# Altium PCB AX7021B.PcbDoc (part 2 of 6)
Units mil, origin at the board's own origin, x right, y up, seen from the top; angles counter-clockwise.
Board outline 5906.91 x 4331.71 mil, 4 copper layers (TOP, SGND, SVCC, BOTTOM), stack 63 mil thick; 463 components, 582 nets, 2114 pads, 861 vias.
Unrouted connection lines stored in the file: 129.
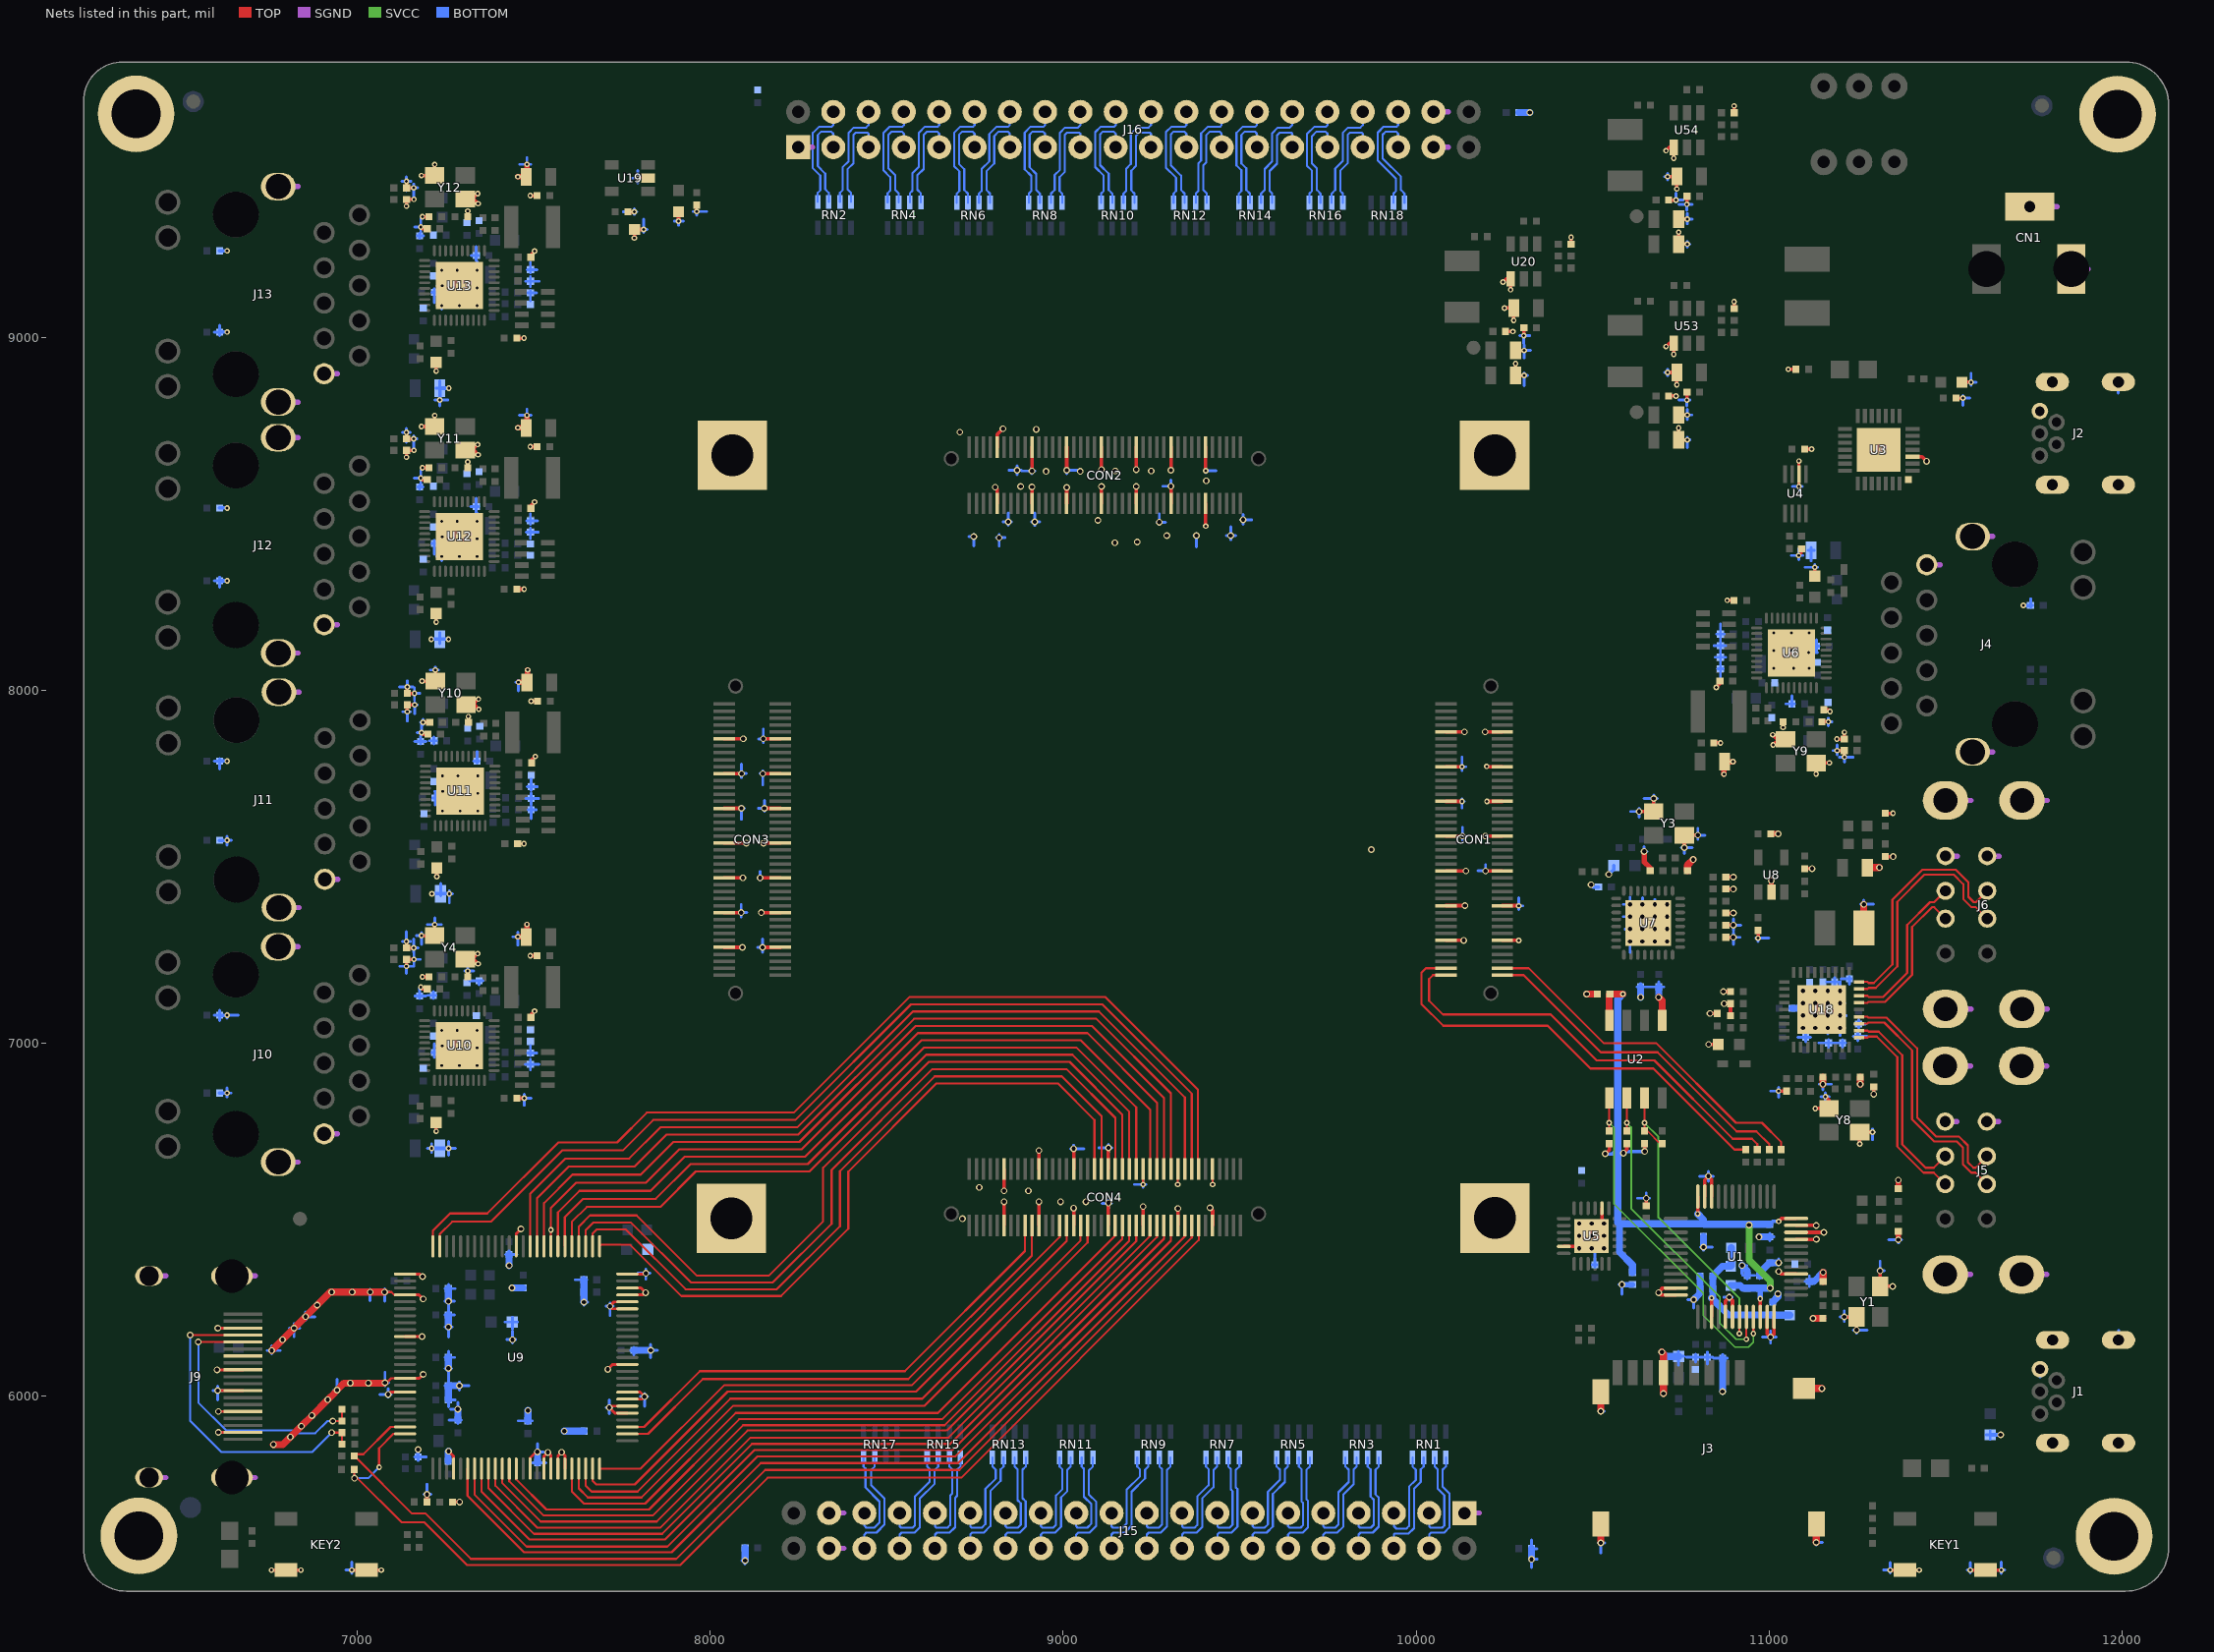
[diagram p4: the nets of this part, all layers, seen from the top]

## Via types
v1: diameter 16, hole 8, TOP to BOTTOM, 459 vias
v2: diameter 19, hole 12, TOP to BOTTOM, 320 vias
v3: diameter 19.69, hole 11.81, TOP to BOTTOM, 82 vias

## Nets (pads, with @x,y where several pads share a name; then routed paths per layer and width w, separated by ;. In a path a pad name is that pad's centre, name@x,y a point inside that pad or via, vN(x,y) a via of type N, cw(c..) or ccw(c..) an arc to the next point about the centre after c; other vN are vias at no path point) (continued)
9134_D9: CON4.64 U9.78 | length 1405.4
  TOP w6: U9.78@7765.76,5913.61 7813.18,5913.61 7970.98,6071.41 8551.79,6071.41 8892.02,6411.64 CON4.64@8892.02,6484.5
9134_D10: CON4.62 U9.77 | length 1440.5
  TOP w6: U9.77@7765.76,5893.92 7824.16,5893.92 7979.3,6049.06 8561.44,6049.06 8911.71,6399.33 CON4.62@8911.71,6484.5
9134_D11: CON4.54 U9.75 | length 1608.4
  TOP w6: U9.75@7687.02,5795.5 7803.69,5795.5 8039.6,6031.41 8570.79,6031.41 8990.45,6451.07 CON4.54@8990.45,6484.5
9134_D12: CON4.52 U9.74 | length 1711.3
  TOP w6: U9.74@7667.34,5795.5 7667.34,5760.68 7677.31,5750.71 7786.74,5750.71 8050.02,6013.99 8583.37,6013.99 9010.13,6440.75 CON4.52@9010.13,6484.5
9134_D13: CON4.48 U9.73 | length 1793.8
  TOP w6: U9.73@7647.65,5795.5 7647.65,5747.55 7664.49,5730.71 7794.59,5730.71 8057.44,5993.56 8600.94,5993.56 9049.5,6442.12 CON4.48@9049.5,6484.5
9134_D14: CON4.46 U9.72 | length 1855.8
  TOP w6: U9.72@7627.97,5795.5 7627.97,5739.39 7653.65,5713.71 7805.43,5713.71 8064.86,5973.14 8606.52,5973.14 9069.19,6435.81 CON4.46@9069.19,6484.5
9134_D15: CON4.38 U9.71 | length 1961.6
  TOP w6: U9.71@7608.28,5795.5 7608.28,5731.23 7642.99,5696.52 7816.09,5696.52 8072.79,5953.22 8645.6,5953.22 9147.93,6455.55 CON4.38@9147.93,6484.5
9134_D16: CON4.36 U9.63 | length 2138.7
  TOP w6: U9.63@7450.8,5795.5 7450.8,5765.09 7536.12,5679.77 7826.96,5679.77 8082.6,5935.41 8657.52,5935.41 9167.61,6445.5 CON4.36@9167.61,6484.5
9134_D17: CON4.34 U9.62 | length 2197.9
  TOP w6: U9.62@7431.12,5795.5 7431.12,5759.77 7528.12,5662.77 7837.8,5662.77 8093.44,5918.41 8664.57,5918.41 9187.3,6441.14 CON4.34@9187.3,6484.5
9134_D18: CON4.32 U9.61 | length 2255.3
  TOP w6: U9.61@7411.43,5795.5 7411.43,5754.46 7520.12,5645.77 7848.65,5645.77 8106.29,5903.41 8670.79,5903.41 9206.98,6439.6 CON4.32@9206.98,6484.5
9134_D19: CON4.28 U9.60 | length 2325.2
  TOP w6: U9.60@7391.75,5795.5 7391.75,5747.14 7511.12,5627.77 7858.49,5627.77 8114.13,5883.41 8675.79,5883.41 9246.35,6453.97 CON4.28@9246.35,6484.5
9134_D20: CON4.26 U9.59 | length 2384.6
  TOP w6: U9.59@7372.06,5795.5 7372.06,5739.83 7501.12,5610.77 7863.96,5610.77 8118.6,5865.41 8680.4,5865.41 9266.04,6451.05 CON4.26@9266.04,6484.5
9134_D21: CON4.24 U9.58 | length 2445.2
  TOP w6: U9.58@7352.38,5795.5 7352.38,5730.51 7488.12,5594.77 7872.57,5594.77 8126.21,5848.41 8687.45,5848.41 9285.72,6446.68 CON4.24@9285.72,6484.5
9134_D22: CON4.22 U9.57 | length 2509.4
  TOP w6: U9.57@7332.69,5795.5 7332.69,5722.2 7480.12,5574.77 7878.96,5574.77 8134.6,5830.41 8694.91,5830.41 9305.41,6440.91 CON4.22@9305.41,6484.5
9134_D23: CON4.18 U9.56 | length 2576.4
  TOP w6: U9.56@7313.01,5795.5 7313.01,5718.88 7473.12,5558.77 7890.96,5558.77 8143.6,5811.41 8702.79,5811.41 9344.78,6453.4 CON4.18@9344.78,6484.5
9134_DE: CON4.43 U9.1 | length 1990
  TOP w6: U9.1@7687.02,6425.42 7691.24,6429.64 7773.5,6429.64 7918.74,6284.4 8200.68,6284.4 8391.32,6475.04 8391.32,6636.94 8640.81,6886.43 8985.59,6886.43 9088.87,6783.15 CON4.43@9088.87,6643.94
9134_HS: CON4.41 U9.2 | length 2091.1
  TOP w6: U9.2@7667.34,6425.42 7667.34,6461.96 7678.57,6473.19 7760.87,6473.19 7930.53,6303.53 8189.09,6303.53 8367.65,6482.09 8367.65,6638.27 8636.19,6906.81 8996.21,6906.81 9108.56,6794.46 CON4.41@9108.56,6643.94
9134_INT: CON4.15 U9.24 | length 2752.5
  TOP w6: U9.24@7234.27,6425.42 7234.27,6459.61 7269.64,6494.98 7378.92,6494.98 7580.67,6696.73 7752.25,6696.73 7838.65,6783.13 8241.51,6783.13 8568.99,7110.61 9111.41,7110.61 9364.46,6857.56 CON4.15@9364.46,6643.94
9134_MCLK: CON4.33 U9.5 | length 2073.7
  TOP w6: U9.5@7608.28,6425.42 7608.28,6494.42 7650.71,6536.85 7858.93,6536.85 7959.4,6637.32 8281.7,6637.32 8612.33,6967.95 9026.07,6967.95 9187.3,6806.72 CON4.33@9187.3,6643.94
9134_NRESET: CON4.13 U9.25 | length 2819.9
  TOP w6: U9.25@7214.58,6425.42 7214.58,6469.4 7263.35,6518.17 7368.54,6518.17 7569.94,6719.57 7736.68,6719.57 7821.07,6803.96 8237.34,6803.96 8564.37,7130.99 9120.03,7130.99 9381.7,6869.32 9381.7,6646.39 CON4.13@9384.15,6643.94
9134_SCK: CON4.17 U9.11 | length 2520.7
  TOP w6: U9.11@7490.17,6425.42 7490.17,6573.61 7590.45,6673.89 7770.72,6673.89 7859.13,6762.3 8246.68,6762.3 8574.61,7090.23 9101.79,7090.23 9344.78,6847.24 CON4.17@9344.78,6643.94
9134_SCL: CON4.16 R48.1 U9.48 | length 3081.9
  TOP w6: U9.48@7135.84,5913.61 7095.01,5913.61 7017.82,5836.42 6997.53,5836.42 R48.1@6992.36,5831.25 7155.45,5668.16 7194.26,5668.16 7322.65,5539.77 7904.15,5539.77 8156.26,5791.88 8706.26,5791.88 9364.46,6450.08 CON4.16@9364.46,6484.5
9134_SD0: CON4.23 U9.9 | length 2372.3
  TOP w6: U9.9@7529.54,6425.42 7529.54,6547.82 7609.93,6628.21 7803.44,6628.21 7895.87,6720.64 8253.02,6720.64 8581.85,7049.47 9081.55,7049.47 9285.72,6845.3 CON4.23@9285.72,6643.94
9134_SD1: CON4.25 U9.8 | length 2300.4
  TOP w6: U9.8@7549.23,6425.42 v1(7549.23,6471.66) 7549.23,6534.48 7620.12,6605.37 7817.86,6605.37 7912.3,6699.81 8259.19,6699.81 8588.47,7029.09 9068.93,7029.09 9266.04,6831.98 CON4.25@9266.04,6643.94
9134_SD2: CON4.27 U9.7 | length 2225
  TOP w6: U9.7@7568.91,6425.42 7568.91,6521.13 7630.31,6582.53 7831.19,6582.53 7927.64,6678.98 8269.36,6678.98 8599.09,7008.71 9050.31,7008.71 9246.35,6812.67 CON4.27@9246.35,6643.94
9134_SD3: CON4.31 U9.6 | length 2145
  TOP w6: U9.6@7588.6,6425.42 7588.6,6507.78 7640.51,6559.69 7846.28,6559.69 7944.74,6658.15 8276.53,6658.15 8606.71,6988.33 9037.69,6988.33 9206.98,6819.04 CON4.31@9206.98,6643.94
9134_SDA: CON4.14 R49.1 U9.49 | length 3167.3
  TOP w6: R49.1@6992.18,5793.14 6992.18,5769.08 v2(6992.8,5768.46) 7001.41,5768.46 7126.55,5643.32 7190.1,5643.32 7310.65,5522.77 7916.15,5522.77 8163.26,5769.88 8711.26,5769.88 9384.15,6442.77 CON4.14@9384.15,6484.5 ; v1(7062.5,5799.58) 7062.5,5853.31 7103.11,5893.92 U9.49@7135.84,5893.92
  BOTTOM w6: v2(6992.8,5768.46) 7031.38,5768.46 v1(7062.5,5799.58)
9134_SPDIF: CON4.35 U9.4 | length 2235.3
  TOP w6: U9.4@7627.97,6425.42 7627.97,6481.07 7659.7,6512.8 7792.03,6512.8 7963.04,6341.79 8165.88,6341.79 8320.31,6496.22 8320.31,6647.93 8619.95,6947.57 9018.45,6947.57 9167.61,6798.41 CON4.35@9167.61,6643.94
9134_VS: CON4.37 U9.3 | length 2167.4
  TOP w6: U9.3@7647.65,6425.42 7647.65,6470.71 7669.93,6492.99 7775.35,6492.99 7945.68,6322.66 8177.48,6322.66 8343.98,6489.16 8343.98,6641.6 8629.57,6927.19 9009.83,6927.19 9147.93,6789.09 CON4.37@9147.93,6643.94
9134_WS: CON4.21 U9.10 | length 2444.2
  TOP w6: U9.10@7509.86,6425.42 7509.86,6561.18 7599.73,6651.05 7785.96,6651.05 7876.38,6741.47 8249.85,6741.47 8578.23,7069.85 9094.17,7069.85 9305.41,6858.61 CON4.21@9305.41,6643.94
+3P3OUTV: C8.1 C12.1 C14.1 L1.1 L2.1 L3.1 U1.39 | length 473.1
  TOP w10: U1.39@10837.14,6225.5 v1(10837.14,6278.85)
  BOTTOM w20: L1.1@10892.54,6420.85 10892.54,6369.85 L3.1@10891.04,6368.35 10867.54,6368.35 C8.1@10840.04,6340.85 C12.1@10840.04,6304.85 10840.04,6281.75 v1(10837.14,6278.85) 10885.14,6230.85 C14.1@11010.04,6230.85 11010.54,6230.35 L2.1@11058.04,6230.35
+3P3V: C9.1 C10.1 C11.1 C16.1 C17.1 L3.2 R7.1 R9.2 R10.2 R11.2 U1.12 U1.24 U1.46 U2.8 | length 2127
  TOP w10: v2(10535.76,6687.26) 10547.08,6698.58 R9.2@10547.08,6715.97 ; v2(10587.05,6689.18) 10596.88,6699.01 R10.2@10596.88,6715.97 ; v2(10647.36,6694.01) R11.2@10647.36,6715.97 ; v1(10797.77,6517.12) U1.24@10797.77,6566.2 ; U1.46@10974.94,6225.5 v1(10974.94,6276.75) ; v1(11027.04,6495.85) 11035.31,6504.12 U1.12@11076.39,6504.12
  TOP w20: U2.8@10547.04,7065.85 10547.04,7137.85 C17.1@10549.04,7139.85 v1(10586.04,7139.85)
  SVCC w20: v2(10943.04,6485.85) 10943.04,6386.85 11003.04,6326.85 v2(11003.04,6306.85)
  BOTTOM w10: v2(10535.76,6687.26) 10556.65,6687.26 10566.65,6697.26 10566.65,6699.21 10571.25,6703.81 ; 10571.25,6688.16 10572.27,6689.18 v2(10587.05,6689.18) 10591.88,6694.01 v2(10647.36,6694.01) ; C11.1@11002.04,6487.85 11010.04,6495.85 v1(11027.04,6495.85)
  BOTTOM w15: C16.1@10973.04,6306.85 10974.94,6304.95 v1(10974.94,6276.75)
  BOTTOM w20: v1(10586.04,7139.85) 10571.25,7125.06 10571.25,6703.81 10571.25,6688.16 10571.25,6492.64 10576.04,6487.85 ; R7.1@10613.04,6351.07 10613.04,6372.33 10576.04,6409.33 10576.04,6487.85 ; v1(10797.77,6517.12) 10814.04,6500.85 C9.1@10814.04,6488.85 ; L3.2@10891.04,6314.35 10918.04,6314.35 10925.54,6306.85 C10.1@10938.04,6306.85 C16.1@10973.04,6306.85 v2(11003.04,6306.85) ; C11.1@11002.04,6487.85 10945.04,6487.85 v2(10943.04,6485.85) 10941.04,6487.85 10815.04,6487.85 C9.1@10814.04,6488.85 ; 10576.04,6487.85 10577.04,6488.85 C9.1@10814.04,6488.85
CEC_A: J9.13
DN1: J5.A2 U18.1 | length 566.8
  TOP w6: U18.1@11254.35,7016.61 11278.6,7016.61 11281.44,7019.45 11304.64,7019.45 11363.04,6961.05 11363.04,6708.05 11437.24,6633.85 11466.32,6633.85 J5.A2@11498.69,6601.48
DN2: J5.B2 U18.3 | length 695.3
  TOP w6: U18.3@11254.35,7055.98 11278.6,7055.98 11281.44,7058.82 11326.27,7058.82 11405.04,6980.05 11405.04,6784.85 11468.04,6721.85 11532.24,6721.85 11549.04,6705.05 11549.04,6657.44 11572.63,6633.85 11584.43,6633.85 J5.B2@11616.8,6601.48
DN3: J6.A2 U18.6 | length 450.4
  TOP w6: U18.6@11254.35,7115.04 11278.6,7115.04 11281.44,7117.88 11329.07,7117.88 11405.04,7193.85 11405.04,7329.57 11461.32,7385.85 11467.32,7385.85 J6.A2@11499.69,7353.48
DN4: J6.B2 U18.8 | length 680.5
  TOP w6: U18.8@11254.35,7154.41 11278.6,7154.41 11281.44,7157.25 11302.24,7157.25 11363.04,7218.05 11363.04,7401.05 11439.84,7477.85 11523.24,7477.85 11550.04,7451.05 11550.04,7409.44 11573.63,7385.85 11585.43,7385.85 J6.B2@11617.8,7353.48
DP1: J5.A3 U18.2 | length 566.8
  TOP w6: U18.2@11254.35,7036.29 11278.6,7036.29 11281.44,7033.45 11310.44,7033.45 11377.04,6966.85 11377.04,6713.85 11443.04,6647.85 11466.32,6647.85 J5.A3@11498.69,6680.22
DP2: J5.B3 U18.4 | length 695.3
  TOP w6: U18.4@11254.35,7075.66 11278.6,7075.66 11281.44,7072.82 11332.07,7072.82 11419.04,6985.85 11419.04,6790.65 11473.84,6735.85 11538.04,6735.85 11563.04,6710.85 11563.04,6663.24 11578.43,6647.85 11584.43,6647.85 J5.B3@11616.8,6680.22
DP3: J6.A3 U18.7 | length 450.4
  TOP w6: U18.7@11254.35,7134.72 11278.6,7134.72 11281.44,7131.88 11323.27,7131.88 11391.04,7199.65 11391.04,7335.37 11455.52,7399.85 11467.32,7399.85 J6.A3@11499.69,7432.22
DP4: J6.B3 U18.9 | length 680.5
  TOP w6: U18.9@11254.35,7174.09 11278.6,7174.09 11281.44,7171.25 11296.44,7171.25 11349.04,7223.85 11349.04,7406.85 11434.04,7491.85 11529.04,7491.85 11564.04,7456.85 11564.04,7415.24 11579.43,7399.85 11585.43,7399.85 J6.B3@11617.8,7432.22
DSCL: J9.15 R44.2 R53.1 | length 788.4
  TOP w6: v2(6550.33,6154.14) J9.15@6677.23,6154.14 ; v2(6931.2,5930.51) R53.1@6957.06,5930.51 R44.2@6957.06,5963.47
  BOTTOM w6: v2(6550.33,6154.14) 6550.33,5982.56 6629.04,5903.85 6823.04,5903.85 6831.04,5895.85 6881.6,5895.85 6915.6,5929.85 6930.54,5929.85 v2(6931.2,5930.51)
DSDA: J9.16 R45.2 R54.1 | length 915.5
  TOP w6: v2(6527.04,6173.82) J9.16@6677.23,6173.82 ; v2(6928.02,5897.55) R54.1@6957.06,5897.55 R45.2@6957.06,5864.59
  BOTTOM w6: v2(6527.04,6173.82) 6527.04,5930.98 6615.62,5842.4 6872.87,5842.4 v2(6928.02,5897.55)
EECLK: R10.1 U1.44 U2.2 | length 933.1
  TOP w6: R10.1@10596.88,6751.97 v1@10596.88,6770.51 ; v1(10596.88,6774.97) v1@10596.88,6770.51 ; U2.2@10597.04,6845.85 10597.04,6770.35 v1@10596.88,6770.51 ; v1(10935.57,6161.85) U1.44@10935.57,6225.5
  SVCC w5: v1(10596.88,6774.97) 10609.18,6762.67 10609.18,6532.71 10860.72,6281.17 10860.72,6207.17 10906.04,6161.85 v1(10935.57,6161.85)
EECS: R9.1 U1.45 U2.1 | length 1006.3
  TOP w6: U2.1@10547.04,6845.85 v1(10547.04,6774.97) 10547.04,6752.01 R9.1@10547.08,6751.97 ; v1(10955.25,6177.85) U1.45@10955.25,6225.5
  SVCC w5: v1(10547.04,6774.97) 10560.74,6761.27 10560.74,6545.15 10813.38,6292.51 10813.38,6229.51 10903.04,6139.85 10941.58,6139.85 10955.25,6153.52 v1(10955.25,6177.85)
EEDATA: R11.1 R12.1 U1.43 U2.3 | length 915
  TOP w5: R11.1@10647.36,6751.97 10655.32,6751.97 10691.32,6715.97 R12.1@10697.28,6715.97
  TOP w6: U2.3@10647.04,6845.85 v1(10647.04,6774.97) 10647.04,6774.67 10647.36,6774.35 R11.1@10647.36,6751.97 ; v1(10915.88,6177.85) U1.43@10915.88,6225.5
  SVCC w5: v1(10647.04,6774.97) 10686.16,6735.85 10686.16,6506.73 10915.88,6277.01 v1(10915.88,6177.85)
EPAD1: U3.29
EPAD2: U3.30
EX_IO1_1N: J15.3 RN1.6 | length 288.7
  BOTTOM w6: J15.3@10037.04,5669.85 10037.04,5632.35 10041.04,5628.35 10073.74,5628.35 10080.04,5634.65 10080.04,5720.05 10061.04,5739.05 10061.04,5793.31 10052.79,5801.56 RN1.6@10052.79,5827.28
EX_IO1_1P: J15.4 RN1.5 | length 314.4
  BOTTOM w6: J15.4@10037.04,5569.85 10037.04,5608.85 10042.54,5614.35 10079.54,5614.35 10094.04,5628.85 10094.04,5725.85 10075.04,5744.85 10075.04,5792.31 10084.29,5801.56 RN1.5@10084.29,5827.28
EX_IO1_2N: J15.5 RN1.8 | length 292.8
  BOTTOM w6: J15.5@9937.04,5669.85 9937.04,5632.35 9944.04,5625.35 9972.74,5625.35 9980.04,5632.65 9980.04,5744.41 9999.04,5763.41 9999.04,5792.32 9989.8,5801.56 RN1.8@9989.8,5827.28
EX_IO1_2P: J15.6 RN1.7 | length 315.2
  BOTTOM w6: J15.6@9937.04,5569.85 9937.04,5608.85 9939.54,5611.35 9978.54,5611.35 9994.04,5626.85 9994.04,5738.61 10013.04,5757.61 10013.04,5793.3 10021.3,5801.56 RN1.7@10021.3,5827.28
EX_IO1_3N: J15.7 RN3.6 | length 283.4
  BOTTOM w6: J15.7@9837.04,5669.85 9837.04,5632.35 9841.04,5628.35 9871.74,5628.35 9880.04,5636.65 9880.04,5707.61 9871.04,5716.61 9871.04,5793.3 9862.78,5801.56 RN3.6@9862.78,5827.28
EX_IO1_3P: J15.8 RN3.5 | length 309.1
  BOTTOM w6: J15.8@9837.04,5569.85 9837.04,5608.85 9842.54,5614.35 9877.54,5614.35 9894.04,5630.85 9894.04,5713.41 9885.04,5722.41 9885.04,5792.32 9894.28,5801.56 RN3.5@9894.28,5827.28
EX_IO1_4N: J15.9 RN3.8 | length 291.5
  BOTTOM w6: J15.9@9737.04,5669.85 9737.04,5632.35 9741.04,5628.35 9770.74,5628.35 9780.04,5637.65 9780.04,5728.65 9809.04,5757.65 9809.04,5792.31 9799.79,5801.56 RN3.8@9799.79,5827.28
EX_IO1_4P: J15.10 RN3.7 | length 316.4
  BOTTOM w6: J15.10@9737.04,5569.85 9737.04,5608.85 9742.54,5614.35 9776.54,5614.35 9794.04,5631.85 9794.04,5722.85 9823.04,5751.85 9823.04,5793.31 9831.29,5801.56 RN3.7@9831.29,5827.28
EX_IO1_5N: J15.11 RN5.6 | length 281.9
  BOTTOM w6: J15.11@9637.04,5669.85 9637.04,5632.35 9641.04,5628.35 9672.74,5628.35 9680.04,5635.65 9680.04,5698.05 9675.04,5703.05 9675.04,5794.31 9667.79,5801.56 RN5.6@9667.79,5827.28
EX_IO1_5P: J15.12 RN5.5 | length 308.4
  BOTTOM w6: J15.12@9637.04,5569.85 9637.04,5608.85 9642.54,5614.35 9678.54,5614.35 9694.04,5629.85 9694.04,5703.85 9689.04,5708.85 9689.04,5791.31 9699.29,5801.56 RN5.5@9699.29,5827.28
EX_IO1_6N: J15.13 RN5.8 | length 293.5
  BOTTOM w6: J15.13@9537.04,5669.85 9537.04,5632.35 9541.04,5628.35 9570.74,5628.35 9580.04,5637.65 9580.04,5729.65 9614.04,5763.65 9614.04,5792.32 9604.8,5801.56 RN5.8@9604.8,5827.28
EX_IO1_6P: J15.14 RN5.7 | length 318.5
  BOTTOM w6: J15.14@9537.04,5569.85 9537.04,5608.85 9542.54,5614.35 9576.54,5614.35 9594.04,5631.85 9594.04,5723.85 9628.04,5757.85 9628.04,5793.3 9636.3,5801.56 RN5.7@9636.3,5827.28
EX_IO1_7N: J15.15 RN7.6 | length 281.3
  BOTTOM w6: J15.15@9437.04,5669.85 9437.04,5632.35 9441.04,5628.35 9471.74,5628.35 9480.04,5636.65 9480.04,5731.61 9475.04,5736.61 9475.04,5794.31 9467.79,5801.56 RN7.6@9467.79,5827.28
EX_IO1_7P: J15.16 RN7.5 | length 307.9
  BOTTOM w6: J15.16@9437.04,5569.85 9437.04,5608.85 9442.54,5614.35 9477.54,5614.35 9494.04,5630.85 9494.04,5737.41 9489.04,5742.41 9489.04,5791.31 9499.29,5801.56 RN7.5@9499.29,5827.28
EX_IO1_8N: J15.17 RN7.8 | length 293.1
  BOTTOM w6: J15.17@9337.04,5669.85 9337.04,5632.35 9341.04,5628.35 9372.74,5628.35 9380.04,5635.65 9380.04,5716.65 9412.04,5748.65 9412.04,5794.32 9404.8,5801.56 RN7.8@9404.8,5827.28
EX_IO1_8P: J15.18 RN7.7 | length 319.6
  BOTTOM w6: J15.18@9337.04,5569.85 9337.04,5608.85 9342.54,5614.35 9378.54,5614.35 9394.04,5629.85 9394.04,5710.85 9426.04,5742.85 9426.04,5791.3 9436.3,5801.56 RN7.7@9436.3,5827.28
EX_IO1_9N: J15.19 RN9.6 | length 278.6
  BOTTOM w6: J15.19@9237.04,5669.85 9237.04,5632.35 9241.04,5628.35 9270.74,5628.35 9280.04,5637.65 9280.04,5794.31 9272.79,5801.56 RN9.6@9272.79,5827.28
EX_IO1_9P: J15.20 RN9.5 | length 305.2
  BOTTOM w6: J15.20@9237.04,5569.85 9237.04,5608.85 9242.54,5614.35 9276.54,5614.35 9294.04,5631.85 9294.04,5791.31 9304.29,5801.56 RN9.5@9304.29,5827.28
EX_IO1_10N: J15.21 RN9.8 | length 293.6
  BOTTOM w6: J15.21@9137.04,5669.85 9137.04,5632.35 9141.04,5628.35 9168.74,5628.35 9180.04,5639.65 9180.04,5735.65 9218.04,5773.65 9218.04,5793.32 9209.8,5801.56 RN9.8@9209.8,5827.28
EX_IO1_10P: J15.22 RN9.7 | length 319.4
  BOTTOM w6: J15.22@9137.04,5569.85 9137.04,5608.85 9142.54,5614.35 9174.54,5614.35 9194.04,5633.85 9194.04,5729.85 9232.04,5767.85 9232.04,5792.3 9241.3,5801.56 RN9.7@9241.3,5827.28
EX_IO1_11N: J15.23 RN11.6 | length 285.8
  BOTTOM w6: J15.23@9037.04,5669.85 9037.04,5632.35 9041.04,5628.35 9068.74,5628.35 9080.04,5639.65 9080.04,5695.05 9059.04,5716.05 9059.04,5795.31 9052.79,5801.56 RN11.6@9052.79,5827.28
EX_IO1_11P: J15.24 RN11.5 | length 313.1
  BOTTOM w6: J15.24@9037.04,5569.85 9037.04,5608.85 9042.54,5614.35 9074.54,5614.35 9094.04,5633.85 9094.04,5700.85 9073.04,5721.85 9073.04,5790.31 9084.29,5801.56 RN11.5@9084.29,5827.28
EX_IO1_12N: J15.25 RN11.8 | length 287.1
  BOTTOM w6: J15.25@8937.04,5669.85 8937.04,5632.35 8941.04,5628.35 8971.74,5628.35 8980.04,5636.65 8980.04,5719.65 8998.04,5737.65 8998.04,5793.32 8989.8,5801.56 RN11.8@8989.8,5827.28
EX_IO1_12P: J15.26 RN11.7 | length 312.8
  BOTTOM w6: J15.26@8937.04,5569.85 8937.04,5608.85 8942.54,5614.35 8977.54,5614.35 8994.04,5630.85 8994.04,5713.85 9012.04,5731.85 9012.04,5792.3 9021.3,5801.56 RN11.7@9021.3,5827.28
EX_IO1_13N: J15.27 RN13.6 | length 283.4
  BOTTOM w6: J15.27@8837.04,5669.85 8837.04,5632.35 8841.04,5628.35 8871.74,5628.35 8880.04,5636.65 8880.04,5697.04 8871.04,5706.04 8871.04,5793.29 8862.78,5801.55 RN13.6@8862.78,5827.27
EX_IO1_13P: J15.28 RN13.5 | length 309.1
  BOTTOM w6: J15.28@8837.04,5569.85 8837.04,5608.85 8842.54,5614.35 8877.54,5614.35 8894.04,5630.85 8894.04,5702.84 8885.04,5711.84 8885.04,5792.31 8894.28,5801.55 RN13.5@8894.28,5827.27
EX_IO1_14N: J15.29 RN13.8 | length 290.9
  BOTTOM w6: J15.29@8737.04,5669.85 8737.04,5632.35 8741.04,5628.35 8769.74,5628.35 8780.04,5638.65 8780.04,5738.1 8809.04,5767.1 8809.04,5792.3 8799.79,5801.55 RN13.8@8799.79,5827.27
EX_IO1_14P: J15.30 RN13.7 | length 315.8
  BOTTOM w6: J15.30@8737.04,5569.85 8737.04,5608.85 8742.54,5614.35 8775.54,5614.35 8794.04,5632.85 8794.04,5732.3 8823.04,5761.3 8823.04,5793.3 8831.29,5801.55 RN13.7@8831.29,5827.27
EX_IO1_15N: J15.31 RN15.6 | length 282.7
  BOTTOM w6: J15.31@8637.04,5669.85 8637.04,5632.35 8641.04,5628.35 8672.74,5628.35 8680.04,5635.65 8680.04,5718.66 8686.04,5724.66 8686.04,5793.29 8677.78,5801.55 RN15.6@8677.78,5827.27
EX_IO1_15P: J15.32 RN15.5 | length 308.4
  BOTTOM w6: J15.32@8637.04,5569.85 8637.04,5608.85 8642.54,5614.35 8678.54,5614.35 8694.04,5629.85 8694.04,5712.86 8700.04,5718.86 8700.04,5792.31 8709.28,5801.55 RN15.5@8709.28,5827.27
EX_IO1_16N: J15.33 RN15.8 | length 297.8
  BOTTOM w6: J15.33@8537.04,5669.85 8537.04,5632.35 8541.04,5628.35 8573.74,5628.35 8580.04,5634.65 8580.04,5716.65 8622.04,5758.65 8622.04,5794.3 8614.79,5801.55 RN15.8@8614.79,5827.27
EX_IO1_16P: J15.34 RN15.7 | length 324.3
  BOTTOM w6: J15.34@8537.04,5569.85 8537.04,5608.85 8542.54,5614.35 8579.54,5614.35 8594.04,5628.85 8594.04,5710.85 8636.04,5752.85 8636.04,5791.3 8646.29,5801.55 RN15.7@8646.29,5827.27
EX_IO1_17N: J15.35 RN17.8 | length 290.6